# Altium PCB Engineer_Control.PcbDoc (part 1 of 2) (continued)
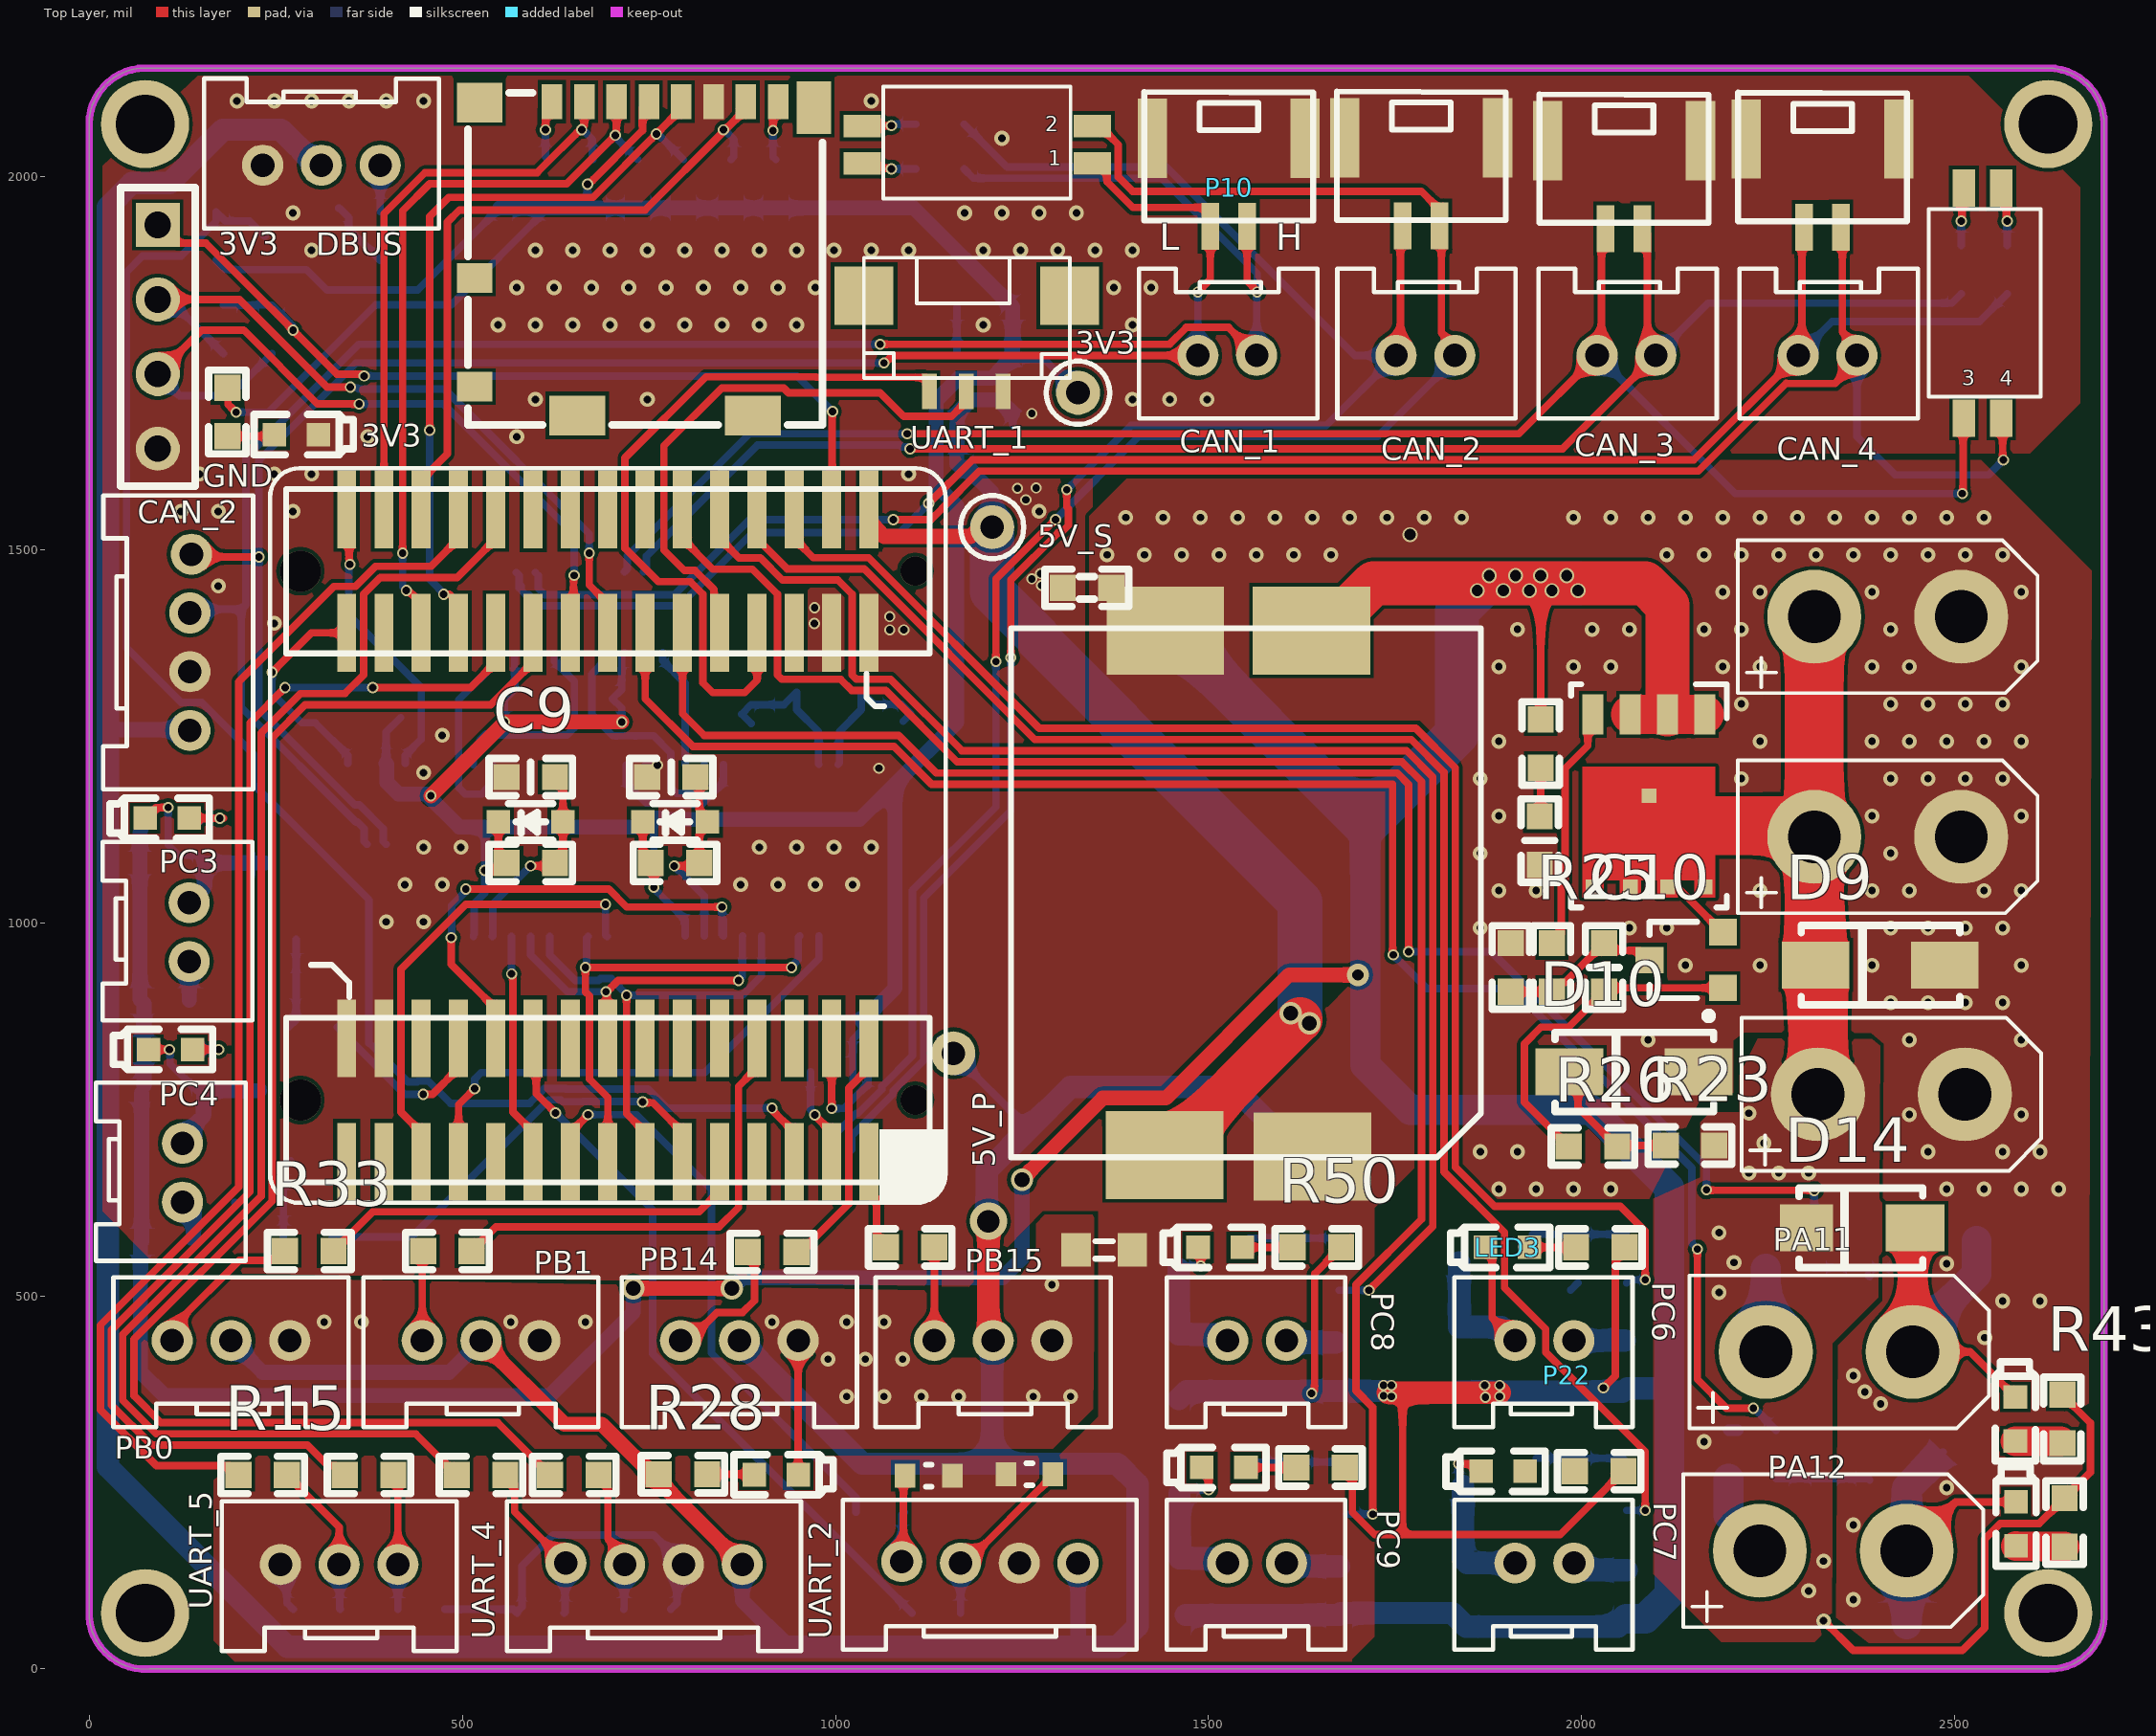
[diagram p0: Top Layer view]
## Footprints (in the part's own frame and the unit in brackets; to place one, negate y for a bottom-side part, rotate by r counter-clockwise, add the part's x,y. Pads: shape width x height; smd on the part's side, far side on the other; paste and mask are expansions set on the pad)
0603C [mil] "Chip Resistor, 2-Leads, Body 1.6x0.8mm, IPC Medium Density"
  rect 35x35 smd: 1(-32.5,0) 2(32.5,0)
  silkscreen extent -56,-25 56,25, body extent -31,-16 31,15, height 18
0603ESDA [mm] "Chip Resistor, 2-Leads, Body 1.6x0.8mm, IPC Medium Density"
  rect 0.7x0.8 smd: 1(-0.8,0) 2(0.8,0)
  silkscreen extent -0.1,-0.38 0.1,0.38, body extent -0.8,-0.4 0.8,0.4, height 0.45
0603L [mil] "Chip Resistor, 2-Leads, Body 1.6x0.8mm, IPC Medium Density"
  rect 35x35 smd: 1(-32.5,0) 2(32.5,0)
  silkscreen extent -56,-25 56,25, body extent -31,-15 32,17, height 19
0603LED_B [mm]
  rect 0.8x0.8 smd: 1(0,0) 2(1.5,0)
  silkscreen extent -0.69,-0.69 2.69,0.69, body extent -0.04,-0.4 1.56,0.4, height 0.6
0603LED_R [mm]
  rect 0.8x0.8 smd: 1(0,0) 2(1.5,0)
  silkscreen extent -0.69,-0.69 2.69,0.69, body extent -0.06,-0.4 1.54,0.4, height 0.6
0603R [mil] "10mil˿ӡ"
  rect 35x35 smd: 1(-32.5,0) 2(32.5,0)
  silkscreen extent -56,-25 56,25, body extent -33,-16 33,16, height 22
0805L [mm]
  rect 1x1.14 smd: 1(-0.955,0) 2(0.955,0)
  silkscreen extent -0.3,-0.3 0.3,0.3, body extent -1,-0.62 1,0.63, height 0.49
A1254-03AWB [mm] "1.25mm，额定电流1A，额定电压50V，接触电阻20mOhm"
  rect 2x2 smd: 0(-3.5,3.226) 0(3.5,3.226)
  rect 0.5x1.2 smd: 1(-1.27,-0.025) 2(-0.02,-0.025) 3(1.23,-0.025)
  silkscreen extent -3.51,0.43 3.51,4.52, body extent -3.52,-0.33 3.47,4.62, height 4.18
GH1.25-2P-立贴 [mm]
  rect 1x2.7 smd: 0(-2.6,-3) 0(2.6,-3)
  round 0.7 on Top Overlay: 0(1.425,0.35)
  rect 0.6x1.6 smd: 1(0.625,0) 2(-0.625,0)
  silkscreen extent -2.88,-4.58 2.88,-0.2, body extent -2.88,-4.55 2.88,0.55, height 4.13
"HEADER 4x1" [mm] "2.54mm 排针"
  rect 1.5x1.5 hole 0.9: 1(0,0)
  round 1.5 hole 0.9: 2(2.54,0) 3(5.08,0) 4(7.62,0)
  silkscreen extent -1.27,-1.27 8.89,1.27, body extent -1.27,-1.27 8.89,1.27, height 6.39
"HY2.00MM 2X1_立式" [mm] "额定电流2A，额定电压250V"
  round 0.7 on Top Overlay: 0(-2.51,2.35)
  round 1.4 hole 0.8: 1(-1,0) 2(1,0)
  silkscreen extent -3,-2.15 3.07,2.95, body extent -3,-2.17 3,2.93, height 8
"HY2.00MM 3x1立式" [mm] "额定电流2A"
  round 0.7 on Top Overlay: 0(-3.507,2.375)
  round 1.4 hole 0.8: 1(-2,0) 2(0,0) 3(2,0)
  silkscreen extent -4,-2.15 4,2.95, body extent -4,-2.15 4,2.95, height 8
"HY2.00MM 4X1立式" [mm]
  round 0.7 on Top Overlay: 0(-4.51,2.35)
  round 1.4 hole 0.8: 1(-3,0) 2(-1,0) 3(1,0) 4(3,-0.051)
  silkscreen extent -5,-2.15 5,2.95, body extent -5,-2.15 5,2.95, height 8
MP2482_PowerModule [mm]
  rect 3x4 smd: 1(-8.925,2.236) 2(8.923,-2.768) 3(-8.925,-2.742) 4(8.974,2.262)
  silkscreen extent -9,-8 9,8, body extent -9,-8 9,8, height 3.95
NX3225GD [mm]
  rect 1.5x2.7 smd: 1(-1.1,0) 2(1.1,0)
  silkscreen extent -1.5,-1.3 1.5,1.3, body extent -1.63,-1.25 1.57,1.25, height 0.81
SMA/DO-214AC [mm] "SS14/M7"
  rect 2.3x1.6 smd: 1(-2.2,0) 2(2.2,0)
  silkscreen extent -2.71,-1.35 2.69,1.35, body extent -2.51,-1.34 2.6,1.33, height 2.12
SMAF/DO-214AC [mm] "SS14/M7"
  rect 2x1.6 smd: 1(-1.8,0)
  rect 1.8x1.6 smd: 2(1.9,0)
  silkscreen extent -2.06,-1.35 2.16,1.35, body extent -2.31,-1.26 2.39,1.24, height 1
SOD-323- [mm] "开关二极管2.60mmx1.20mm"
  rect 0.8x0.8 smd: 1(1.1,0) 2(-1.1,0)
  silkscreen extent -0.75,-0.63 0.75,0.63, body extent -1.35,-0.55 1.35,0.7, height 1.1
SON5X6 [mm] "5x6mm MOS"
  rect 1.372x0.71 smd paste-0.673 mask+0.051: 1(-3.278,1.803) 2(-3.278,0.533) 3(-3.278,-0.737) 4(-3.278,-2.007)
  rect 0.5x0.5 smd paste-0.237 mask+0.051: 5(2.592,-2.007) 6(2.592,-0.737) 7(2.592,0.533) 8(2.592,1.803) 9(-0.508,-0.102)
  Top Layer region: -1.492,2.158 -1.492,-2.362 2.948,-2.362 2.948,-1.652 2.358,-1.652 2.358,-1.092 2.948,-1.092 2.948,-0.382 2.358,-0.382 2.358,0.178 2.948,0.178 2.948,0.888 2.358,0.888 2.358,1.448 2.948,1.448 2.948,2.158
  silkscreen extent -4.31,-2.75 3.29,2.55, body extent -3.62,-2.73 2.53,2.42, height 1.1
SOT-23-3 [mm]
  rect 0.9x0.95 smd: 1(-0.95,-1.25) 2(0.95,-1.25) 3(0,1.25)
  silkscreen extent -2.03,-0.89 1.3,1.25, body extent -1.46,-1.19 1.46,1.28, height 1
"SOT-23-5 L" [mm]
  rect 0.9x0.65 smd: 1(-1.2,0.95) 2(-1.2,0) 3(-1.2,-0.95) 4(1.2,-0.95) 5(1.2,0.95)
  silkscreen extent -1.05,-1.55 0.35,1.8, body extent -1.37,-1.46 1.43,1.44, height 1.09
SOT-23-8 [mm]
  rect 1x0.45 smd paste+0 mask+0.051: 1(-1.375,0.975) 2(-1.375,0.325) 3(-1.375,-0.325) 4(-1.375,-0.975) 5(1.375,-0.975) 6(1.375,-0.325) 7(1.375,0.325) 8(1.375,0.975)
  silkscreen extent -1.75,-1.5 0.58,1.5, body extent -1.4,-1.47 1.4,1.47, height 1.2
STM32_LQFP64核心板 [mm]
  rect 0.65x2.65 smd: 1(8.89,11.1) 2(8.89,6.9) 3(7.62,11.1) 4(7.62,6.9) 5(6.35,11.1) 6(6.35,6.9) 7(5.08,11.1) 8(5.08,6.9) 9(3.81,11.1) 10(3.81,6.9) 11(2.54,11.1) 12(2.54,6.9) 13(1.27,11.1) 14(1.27,6.9) 15(0,11.1) 16(0,6.9) 17(-1.27,11.1) 18(-1.27,6.9) 19(-2.54,11.1) 20(-2.54,6.9) 21(-3.81,11.1) 22(-3.81,6.9) 23(-5.08,11.1) 24(-5.08,6.9) 25(-6.35,11.1) 26(-6.35,6.9) 27(-7.62,11.1) 28(-7.62,6.9) 29(-8.89,11.1) 30(-8.89,6.9) 31(8.89,-6.9) 32(8.89,-11.1) 33(7.62,-6.9) 34(7.62,-11.1) 35(6.35,-6.9) 36(6.35,-11.1) 37(5.08,-6.9) 38(5.08,-11.1) 39(3.81,-6.9) 40(3.81,-11.1) 41(2.54,-6.9) 42(2.54,-11.1) 43(1.27,-6.9) 44(1.27,-11.1) 45(0,-6.9) 46(0,-11.1) 47(-1.27,-6.9) 48(-1.27,-11.1) 49(-2.54,-6.9) 50(-2.54,-11.1) 51(-3.81,-6.9) 52(-3.81,-11.1) 53(-5.08,-6.9) 54(-5.08,-11.1) 55(-6.35,-6.9) 56(-6.35,-11.1) 57(-7.62,-6.9) 58(-7.62,-11.1) 59(-8.89,-6.9) 60(-8.89,-11.1)
  silkscreen extent -11.5,-12.5 11.5,12.5, body extent -11.5,-12.5 11.5,12.5, height 10.9
SW_DIP_2x2 [mm]
  rect 0.76x1.27 smd: 1(-0.705,-3.912) 2(0.565,-3.912) 3(0.565,3.912) 4(-0.705,3.912)
  silkscreen extent -1.91,-3.17 1.91,3.2, body extent -2.08,-4.06 2.06,4.23, height 2.4
tf_booth [mm]
  rect 0.7x1.2 smd: 1(38.068,6.254) 2(39.168,6.254) 3(40.268,6.254) 4(41.368,6.254) 5(42.468,6.254) 6(43.568,6.254) 7(44.668,6.254) 8(45.768,6.254)
  rect 1.17x1.8 smd: 9(46.978,6.054)
  rect 1.55x1.35 smd: 10(35.608,6.229)
  rect 1.2x1 smd: 11(35.433,0.254) 12(35.433,-3.446)
  rect 1.9x1.35 smd: 13(38.933,-4.421) 14(44.903,-4.421)
  silkscreen extent 35.21,-4.75 47.28,6.55
TP_VIA [mm]
  round 1.5 hole 0.8: 1(0,0)
  silkscreen extent -1.08,-1.07 1.08,1.07
TSSOP20 [mil]
  rect 58x14 smd: 1(-115,115.16) 2(-115,89.57) 3(-115,63.98) 4(-115,38.39) 5(-115,12.8) 6(-115,-12.8) 7(-115,-38.39) 8(-115,-63.98) 9(-115,-89.57) 10(-115,-115.16) 11(115,-115.16) 12(115,-89.57) 13(115,-63.98) 14(115,-38.39) 15(115,-12.8) 16(115,12.8) 17(115,38.39) 18(115,63.98) 19(115,89.57) 20(115,115.16)
  silkscreen extent -164,-135 164,145, body extent -126,-128 126,128, height 44
XT30UPB-FEMALE [mm]
  round 3.2 hole 1.8: 1(2.5,0) 2(-2.5,0)
  silkscreen extent -5.1,-2.6 5.1,2.6, body extent -4.95,-2.49 5.05,2.51, height 10
XT30UPB-MALE [mm]
  round 3.2 hole 1.8: 1(2.5,0) 2(-2.5,0)
  silkscreen extent -5.1,-2.6 5.1,2.6, body extent -5.1,-2.6 5.1,2.6, height 10.7

## Part data
1 2 LED1 LED2 LED3 LED4 LED5 LED6 LED7 LED8: library part LED, "Typical RED, GREEN, YELLOW, AMBER GaAs LED", LatestRevisionDate=17-Jul-2002, LatestRevisionNote="Re-released for DXP Platform.", PackageDescription="SM LED; 2 Flat Leads", PackageReference=3.2X1.6X1.1, PackageVersion=Feb-2002, Published=8-Jun-2000, Publisher="Altium Limited"
*1: library part "TF booth"
C1 C2 C3 C4 C5 C6 C7 C8 C9 C10 C11 C12 C13 C14: library part Cap, "Capacitor", LatestRevisionDate=17-Jul-2002, LatestRevisionNote="Re-released for DXP Platform.", PackageDescription="Radial Cap, Thru-Hole; 2 Leads; 0.3 in Pin Spacing", PackageReference=RAD-0.3, Published=8-Jun-2000, Publisher="Altium Limited"
D1 D2: library part Diode, "Default Diode", Code_JEDEC=DO-214-AB, LatestRevisionDate=17-Jul-2002, LatestRevisionNote="Re-released for DXP Platform.", PackageDescription="DO-214-AB/SMC; 2 C-Bend Leads; Body 7.9 x 5.9 mm, inc. leads (LxW)", PackageReference=SMC, PackageVersion=Sep-1996, Published=8-Jun-2000, Publisher="Altium Limited"
D3 D4 D5 D6 D7 D8: library part ESDA
D9 D10: library part "D Schottky_SMAF", "Schottky Diode", Code_JEDEC=DO-214-AA, LatestRevisionDate=17-Jul-2002, LatestRevisionNote="Re-released for DXP Platform.", PackageDescription="DO-214-AA/SMB; 2 C-Bend Leads; Body 5.3 x 3.6 mm, inc. leads (LxW)", PackageReference=SMB, Published=8-Jun-2000, Publisher="Altium Limited"
D11 D12 D13 D15 D16 D18: library part "D Schottky", "Schottky Diode", Code_JEDEC=DO-214-AA, LatestRevisionDate=17-Jul-2002, LatestRevisionNote="Re-released for DXP Platform.", PackageDescription="DO-214-AA/SMB; 2 C-Bend Leads; Body 5.3 x 3.6 mm, inc. leads (LxW)", PackageReference=SMB, Published=8-Jun-2000, Publisher="Altium Limited"
D14 D17: library part "D Schottky_SOD323", "Schottky Diode", Code_JEDEC=DO-214-AA, LatestRevisionDate=17-Jul-2002, LatestRevisionNote="Re-released for DXP Platform.", PackageDescription="DO-214-AA/SMB; 2 C-Bend Leads; Body 5.3 x 3.6 mm, inc. leads (LxW)", PackageReference=SMB, Published=8-Jun-2000, Publisher="Altium Limited"
F1 F2 F3 F4 F5 F6 F7 F8: library part Finance, "0603自恢复保险丝"
L1 L2 L3: library part Inductor, "Inductor", Code_IEC=1005, Code_JEITA=0402, LatestRevisionDate=29-May-2009, LatestRevisionNote="IPC-7351 Footprint Added.", PackageDescription="Chip Inductor", PackageReference=0402-A, Published=8-Jun-2000, Publisher="Altium Limited"
M1: library part STM32_LQFP64核心板, "STM32_LQFP64核心板 / 兼容F105Rx、F405RGT6、F446Rx / 尺寸23mm x 25mm"
P1: library part UART_3pin
P2 P3 P10 P11: library part GH1.25-2P
P4 P5 P7 P8: library part 2pin_IO
P6: library part CAN_4pin, "CAN 4pin，带5V电源，HY2.0-4A"
P9: library part D-BUS
P12: library part UART_3pin_主控, Reference=UART_3pin_主?
P13 P14: library part UART_4pin_主控, "带电源串口"
P17 P18 P19 P_out1 P_out2: library part XT30/60/90
P20 P21 P22 P23 P24 P25: library part 电磁阀/电磁铁
PB1 PB2 PB3 PB4: library part 3Pin_IO, "3pin input/output. V+S+G"
Q1 Q4 Q5 Q6 Q8 Q10 Q11: library part NPN, "NPN Bipolar Transistor", Code_JEDEC=TO-226-AA, LatestRevisionDate=17-Jul-2002, LatestRevisionNote="Re-released for DXP Platform.", PackageDescription="TO, Flat Index; 3 In-Line, Axial Leads; Body Dia. 4.8mm; Leads 0.55 x 0.51 mm (max)", PackageReference=TO-226-AA, Published=8-Jun-2000, Publisher="Altium Limited"
Q2: library part PMOS, "P-Channel Power MOSFET", ComponentLink1Description="Manufacturer Link", ComponentLink1URL=http://www.irf.com/, DatasheetVersion=PD-9.390D, LatestRevisionDate=17-Jul-2002, LatestRevisionNote="Re-released for DXP Platform.", Note="Pin 4 not drawn and electrically connected to Pin 2.", PackageDescription="TO, Thru-Hole, Vertical, Heatsink Mounted; 3 In-Line Leads; Pitch 2.54 mm", PackageReference=TO-220AB, PackageVersion=Feb-1997, Published=8-Jun-2000, Publisher="Altium Limited"
Q3: library part PNP, "PNP Bipolar Transistor", Code_JEDEC=TO-226-AA, LatestRevisionDate=17-Jul-2002, LatestRevisionNote="Re-released for DXP Platform.", PackageDescription="TO, Flat Index; 3 In-Line, Axial Leads; Body Dia. 4.8mm; Leads 0.55 x 0.51 mm (max)", PackageReference=TO-226-AA, Published=8-Jun-2000, Publisher="Altium Limited"
Q7 Q9: library part NMOS(SOT23), "N-Channel Power MOSFET", ComponentLink1Description="Manufacturer Link", ComponentLink1URL=http://www.irf.com/, DatasheetVersion=PD-9.814, LatestRevisionDate=17-Jul-2002, LatestRevisionNote="Re-released for DXP Platform.", Note="Pin 2 is electrically connected to pin 4.", PackageDescription="TO, Thru-Hole, Vertical, Heatsink Mounted; 3 In-Line Leads; Pitch 2.54 mm", PackageReference=TO-220AB, PackageVersion=Feb-1997, Published=8-Jun-2000, Publisher="Altium Limited"
R1 R2 R3 R4 R5 R6 R7 R8 R9 R10 R11 R12 R13 R14 R15 R16 R17 R18 R19 R20 R21 R22 R23 R24 R25 R26 R27 R28 R29 R30 R31 R32 R33 R34 R35 R36 R37 R38 R39 R40 R41 R42 R43 R44 R45 R46 R47 R48 R49 R50 R51 R52 R53 R54 R55 R56 R57: library part Res1, "Resistor", LatestRevisionDate=17-Jul-2002, LatestRevisionNote="Re-released for DXP Platform.", PackageDescription="Axial Device, Thru-Hole; 2 Leads; 0.3 in Pin Spacing", PackageReference=AXIAL-0.3, Published=8-Jun-2000, Publisher="Altium Limited"
S1 S2: library part "SW_DIP 2"
SWD1: library part SWD_HEADER
TP1 TP2 TP3: library part TP, "Test Point"
U1 U2 U3 U4: library part CAN
U1 U2: library part MCP2512
U5 U6: library part MP2482_PowerModule
U7: library part LDO_SOT23-5
Y1: library part XTAL, "Crystal Oscillator", LatestRevisionDate=17-Jul-2002, LatestRevisionNote="Re-released for DXP Platform.", PackageDescription="Crystal, Thru-Hole; 2 Leads; Body 3.1 x 8.2 mm (Dia.xH)", PackageReference=R38, Published=8-Jun-2000, Publisher="Altium Limited"

## Free pads (board coordinates)
  round 118.11 hole 78.74: 4(75,75) 4(75,2070) 4(2625,75) 4(2625,2070)

## Via types
v1: diameter 20, hole 10, Top Layer to Bottom Layer, tented both sides, 245 vias
v2: diameter 15, hole 10, Top Layer to Bottom Layer, tented both sides, 108 vias
v3: diameter 20, hole 15, Top Layer to Bottom Layer, tented both sides, 10 vias
v4: diameter 30, hole 20, Top Layer to Bottom Layer, tented both sides, 5 vias
v5: diameter 39.37, hole 39.37, Top Layer to Bottom Layer, 2 vias
v6: diameter 55.12, hole 55.12, Top Layer to Bottom Layer, 2 vias
v7: diameter 30, hole 15, Top Layer to Bottom Layer, tented both sides, 1 vias
v8: diameter 50, hole 30, Top Layer to Bottom Layer, tented both sides, 1 vias

## Nets (pads, with @x,y where several pads share a name; then routed paths per layer and width w, separated by ;. In a path a pad name is that pad's centre, name@x,y a point inside that pad or via, vN(x,y) a via of type N, cw(c..) or ccw(c..) an arc to the next point about the centre after c; other vN are vias at no path point)
3V3: *1.4 C1.1 C2.1 C3.1 C4.1 C5.2 C13.1 D1.2 D2.2 R5.2 R6.2 R7.2 R8.2 R9.2 R10.2 R11.2 R12.2 R13.2 R29.2 TP3.1 U1.3@572.2,1360.87 U1.20 U2.3@1017.8,800.37 U2.20 U3.3 U4.3 U7.5 | length 5053.2
  Top Layer w10: R29.2@185.24,1716.77 186.01,1716 186.01,1694.41 196.43,1684 v2(196.82,1684) ; v2(530,1070) 549.13,1070 R12.2@559.13,1080 548.32,1090.81 D2.2@548.32,1135 ; v2(667.75,1989.35) 669.35,1989.35 741.38,2061.38 741.38,2091.38 *1.4@750,2100 ; D1.2@741.69,1135 741.69,1090.81 R11.2@752.5,1080 756.7,1075.8 v2(756.7,1047.28)
  Top Layer w20: v2(457.84,1170) v2(556.72,1268.88) v2(713.57,1268.88)
  Bottom Layer w10: R13.2@170,1887.5 182.5,1875 291.25,1875 318.63,1847.62 440.12,1847.62 C5.2@550,1957.5 ; v2(196.82,1684) 240,1684 383.69,1827.69 485.19,1827.69 R5.2@615,1957.5 ; U4.3@397.8,1213.38 397.8,1255.3 C4.1@417.5,1275 ; U2.20@514.84,981.42 514.84,983.42 515.79,984.37 515.79,1025.42 530,1039.63 v2(530,1070) 530,1128.31 ; v2(556.72,1268.88) 556.72,1299.08 C3.1@557.64,1300 570.14,1312.5 570.14,1358.8 U1.3@572.2,1360.87 ; v2(667.75,1989.35) 667.75,1964.75 R6.2@675,1957.5 ; v2(713.57,1268.88) 713.57,1287.5 C1.1@701.07,1300 713.57,1312.5 713.57,1358.25 U3.3@717.2,1361.89 ; 756.7,1140 v2(756.7,1047.28) 756.7,1046.06 798.63,1004.13 U1.20@798.63,982.13 ; U2.3@1023.31,785.27 1023.31,843.31 1035.81,855.81 C2.1@1035.81,868.31 ; U7.5@1237.4,1762.24 1237.4,1757.32 1240.08,1754.65 1280.35,1754.65 TP3.1@1325,1710 ; C13.1@1237.4,1824.9 C13.1@1237.5,1825
  Bottom Layer w20: U4.3@397.8,1213.38 398.94,1212.24 398.94,1188.07 414.59,1172.42 451.85,1172.42 495.96,1128.31 530,1128.31 737.17,1128.31 748.87,1140 ; C5.2@550,1957.5 R5.2@615,1957.5 667.75,1957.5 R6.2@675,1957.5 R7.2@735,1957.5 R8.2@796.26,1957.5 R9.2@860,1957.5 R10.2@920,1957.5 1105,1957.5 C13.1@1237.5,1825 ; 756.7,1140 771.12,1140 772.99,1138.13 1032.18,1138.13 1080,1185.95 ; C2.1@1035.81,868.31 1080,912.5 1080,1185.95 ; 1134.8,1643.83 1134.8,1699.8 1164.53,1729.53 1209.61,1729.53 U7.5@1237.4,1757.32 ; 1135,1643.83 1135,1586.29 1162.6,1558.69 1162.6,1268.54 1080,1185.95 ; U7.5@1237.4,1762.24 C13.1@1237.4,1824.9
3V3_SWD: M1.3 R21.2 R22.2 SWD1.1 | length 1292.4
  Top Layer w10: SWD1.1@91.99,1935 116.52,1910.47 156.53,1910.47 331.91,1735.09 365.72,1735.09 v2(368.31,1732.5) ; M1.3@995,1593.03 M1.3@995,1553.66 995.53,1554.19 995.53,1684.27 v2(996.06,1684.8)
  Bottom Layer w10: R22.2@182.5,1830 R22.2@180,1827.5 R21.2@245,1827.5 272.36,1800.14 272.36,1794.96 v2(273.31,1794) ; v2(368.31,1732.5) 948.37,1732.5 v2(996.06,1684.8)
5V_P: P6.1 P9.2 P13.1 P14.1 PB1.2 PB2.2 PB3.2 PB4.2 R28.2 TP1.1 U5.2 | length 6618.9
  Top Layer w10: PB4.2@1205,446.26 PB4.2@1211.26,440
  Top Layer w20: PB2.2@525,440 636.82,328.18 686.82,328.18 P13.1@875,140
  Top Layer w30: PB4.2@1205,446.26 v8(1205,600)
  Bottom Layer w10: P6.1@133.93,1258.59 P6.1@135,1257.52 ; TP1.1@1140,844.02 1140,842.76 TP1.1@1157.76,825 1258.88,723.88 ; v8@1202.76,602.24 v8(1205,600)
  Bottom Layer w20: 25,1258.59 P6.1@133.93,1258.59 ; PB1.2@190,440 232.56,397.44 286.37,397.44 ; 286.4,397.47 428.6,397.47 ; 428.63,397.44 482.44,397.44 PB2.2@525,440 ; P13.1@875,140 875,92.05 937.05,30 ; 1325,30 P14.1@1325,142
  Bottom Layer w30: P9.2@311.26,2015 304.46,2015 256.9,2062.56 179.36,2062.56 107.75,1990.95 57.31,1990.95 25,1958.63 25,1258.59 25,1236.89 25,1146.89 25,275 25,270.69 265.69,30 937.05,30 1325,30 1377.56,30 1405,57.43 1405,247.6 1377.6,275 1210,275 ; PB3.2@871.26,440 1036.26,275 1210,275 ; v8@1202.76,602.24 1202.76,667.76 1258.88,723.88 1315,780 1532.97,780 1619.28,693.69 U5.2@1638.96,693.69 ; PB4.2@1211.26,440 1210,438.74 1210,275
5V_S: C12.2 M1.1 TP2.1 U6.2 U7.1 U7.3 | length 1562.8
  Top Layer w10: M1.1@1045,1553.66 1045,1537.8 M1.1@1052.8,1530
  Top Layer w20: M1.1@1052.8,1530 1065.3,1517.5 1181.06,1517.5 1193.56,1530 TP2.1@1210,1530
  Top Layer w60: U6.2@1441.04,688.69 v4@1622.54,870.2
  Bottom Layer w10: C12.2@1162.6,1614.9 C12.2@1167.5,1610 ; U7.3@1162.6,1667.76 U7.3@1162.6,1675.01 ; U7.1@1237.4,1667.76 U7.1@1237.4,1682.08
  Bottom Layer w20: C12.2@1162.6,1614.9 U7.3@1162.6,1667.76 ; U7.3@1162.6,1675.01 1162.6,1682.08 1180.99,1700.47 1219.01,1700.47 U7.1@1237.4,1682.08 ; C12.2@1167.5,1610 1176.29,1610 1210,1576.29 TP2.1@1210,1530
  Bottom Layer w60: TP2.1@1210,1530 1210,1443.84 1271.34,1382.5 1271.34,1379.71 1380,1271.05 ; 1379.48,1270.52 1622.55,1027.45 v4@1622.55,870.12
  other v4: 1635,865 1610,878.91
CAN1_H: P6.3 P7.2 P10.2 R4.1 U4.7 | length 2758.7
  Top Layer w10: v2(1060,1775) 1447.79,1775 1448.07,1775.28 1448.07,1775.56 1470.07,1797.56 1526.81,1797.56 P7.2@1564.37,1760 ; P10.2@1551.61,1933 1551.61,1859.75 1565,1846.35 v2(1565,1845)
  Bottom Layer w10: P6.3@135,1415 140,1420 204.02,1420 ; U4.7@372.2,1105.11 368.35,1108.97 368.35,1126.07 359.61,1134.8 357.62,1134.8 204.02,1288.39 204.02,1420 ; v2(1060,1775) 361.45,1775 210,1623.55 210,1425.98 204.02,1420 ; R4.1@1172.5,2010 1185,1997.5 1437.16,1997.5 1565,1869.66 v2(1565,1845) ; P7.2@1564.37,1760 v2@1564.37,1844.84
CAN1_L: P6.4 P7.1 P10.1 S2.1 U4.6 | length 2390.9
  Top Layer w10: P6.4@137,1493.74 138.27,1495.01 143.28,1490 v2(227.5,1490) ; v2(1065,1750) 1066.35,1750 1076.35,1760 P7.1@1485.63,1760 ; S2.1@1344,2017.24 1354.04,2017.24 1364,2007.28 1364,1992.81 1398.42,1958.39 1495.58,1958.39 1502.39,1951.57 P10.1@1502.39,1933 1502.39,1861.76 v2(1485.63,1845)
  Bottom Layer w10: U4.6@397.8,1105.11 393.94,1108.97 393.94,1126.07 362.19,1157.81 355.82,1157.81 227.5,1286.13 v2(227.5,1490) 227.5,1619.84 357.66,1750 v2(1065,1750) ; P7.1@1485.63,1760 v2(1485.63,1845)
CAN2_H: P8.2 P11.2 S2.2 U2.7@992.2,692.1 | length 2345.5
  Top Layer w10: v2(1215,1350) 1215,1460.48 1294.52,1540 v2(1294.84,1540) ; S2.2@1344,2067.24 1354.04,2067.24 1379,2042.28 1379,1999.02 1398.02,1980 1785.09,1980 1811.97,1953.12 1811.97,1790.24 1830,1772.21 P8.2@1830,1760
  Bottom Layer w10: U2.7@992.2,692.1 996.06,695.96 996.06,713.05 1027.81,744.8 1030.5,744.8 1062.24,776.54 1062.24,780.75 1103.23,821.74 1103.23,1043.23 1215,1155 v2(1215,1350) ; v2(1294.84,1540) 1294.84,1540.09 1405.91,1651.16 1726.16,1651.16 1830,1755 P8.2@1830,1760
CAN2_L: P8.1 P11.1 R2.1 U2.6@1017.8,692.1 | length 2414.3
  Top Layer w10: v2(1235,1355) 1235,1459.26 1298.24,1522.5 1302.09,1522.5 1312.34,1532.75 1312.34,1554.53 1310,1556.87 v2(1310,1580) ; P8.1@1751.26,1760 1757.01,1765.75 1757.01,1927.69 P11.1@1762.76,1933.43
  Bottom Layer w10: U2.6@1017.8,692.1 1021.65,695.96 1021.65,714.74 1077.24,770.33 1077.24,774.54 1118.23,815.53 1118.23,1033.03 1235,1149.8 v2(1235,1355) ; R2.1@1172.5,2070 1230,2012.5 1443.38,2012.5 1695.88,1760 P8.1@1751.26,1760 1657.42,1666.16 1396.16,1666.16 v2(1310,1580)
CAN3_H: P2.2 P4.2 R3.1 U3.7 | length 2111.4
  Top Layer w10: v2(1100,1635) 1974.37,1635 P4.2@2099.37,1760 2099.37,1772.21 2088,1783.58 2088,1923.13 P2.2@2081.24,1929.89
  Bottom Layer w10: U3.7@742.8,1470.15 746.65,1474.01 746.65,1491.11 895.55,1640 1086.41,1640 1088.91,1637.5 1097.5,1637.5 v2(1100,1635) ; P4.2@2099.37,1760 2169.37,1830 2495.93,1830 R3.1@2508.43,1842.5
CAN3_L: P2.1 P4.1 S1.1 U3.6 | length 2276
  Top Layer w10: v2(1096.16,1655) 1915.63,1655 P4.1@2020.63,1760 2026.33,1765.7 2026.33,1924.19 P2.1@2032.03,1929.89 ; v2(2510,1575) 2510.96,1575.96 2510.96,1674.71 S1.1@2512.24,1676
  Bottom Layer w10: U3.6@717.2,1470.15 721.06,1474.01 721.06,1491.11 884.96,1655 v2(1096.16,1655) ; P4.1@2020.63,1760 2205.63,1575 v2(2510,1575)
CAN3_RX: U1.2@824.22,1212.13 U3.4 | length 343.5
  Bottom Layer w10: U3.4@691.61,1361.89 691.61,1351.06 673.57,1333.01 673.57,1278.36 701.51,1250.42 705.12,1250.42 705.54,1250 708.01,1250 708.42,1250.42 730.71,1250.42 731.13,1250 733.6,1250 734.02,1250.42 756.3,1250.42 779.25,1227.46 779.25,1181.36 787.49,1173.13 809.77,1173.13 824.22,1187.58 U1.2@824.22,1212.13
CAN3_TX: U1.1@798.63,1212.13 U3.1 | length 162.3
  Bottom Layer w10: U3.1@768.39,1361.89 768.39,1351.06 798.63,1320.81 U1.1@798.63,1212.13
CAN4_H: P3.2 P5.2 S1.2 U1.7@597.8,1469.13 | length 2516.1
  Top Layer w10: v2(1077.63,1540) 1127.98,1540 1142.5,1554.52 1142.5,1554.78 1192.72,1605 2156.21,1605 2274.05,1722.84 2274.44,1722.44 2339.33,1722.44 2368.74,1751.85 P5.2@2368.74,1760 2368.74,1772.21 2349.21,1791.74 P3.2@2349.21,1935 ; S1.2@2562.24,1686.04 S1.2@2562.24,1676 2564.04,1674.2 2564.04,1620.96 v2(2565,1620)
  Bottom Layer w10: U1.7@597.8,1469.13 601.65,1465.28 601.65,1448.18 610.39,1439.45 784.44,1439.45 884.99,1540 v2(1077.63,1540) ; P5.2@2368.74,1760 2368.74,1651.26 2420,1600 2545,1600 v2(2565,1620)
CAN4_L: P3.1 P5.1 R1.1 U1.6@572.2,1469.13 | length 2384.4
  Top Layer w10: v2(1125,1561.77) 1183.23,1620 2150,1620 P5.1@2290,1760 2295,1765 2295,1930 P3.1@2300,1935
  Bottom Layer w10: U1.6@572.2,1469.13 576.06,1465.28 576.06,1448.18 578.94,1451.05 578.94,1445.31 584.79,1439.45 589.17,1439.45 604.17,1424.45 790.65,1424.45 888.7,1522.5 1085.73,1522.5 v2(1125,1561.77) ; P5.1@2290,1760 2335.57,1805.57 2533.07,1805.57 R1.1@2570,1842.5
CAN4_RX: U1.4@546.61,1360.87 U2.2@540.43,1211.42 | length 280.7
  Bottom Layer w10: U2.2@540.43,1211.42 540.43,1186.87 525.98,1172.42 503.7,1172.42 495,1181.12 495,1298.43 546.61,1350.04 U1.4@546.61,1360.87
CAN4_TX: U1.1@623.39,1360.87 U2.1@514.84,1211.42 | length 282.3
  Bottom Layer w10: U2.1@514.84,1211.42 514.84,1233.42 523.43,1242.01 523.43,1244.56 531.8,1252.93 547.92,1252.93 549.47,1251.38 640.23,1251.38 650.14,1261.3 650.14,1323.28 623.39,1350.04 U1.1@623.39,1360.87
CLK: U1.3@849.81,1212.13 U2.9 | length 203.4
  Bottom Layer w10: U2.9@719.57,1211.42 719.57,1186.87 746.43,1160 779.4,1160 781.27,1158.13 820.36,1158.13 849.81,1187.58 U1.3@849.81,1212.13
GND_IN: C11.1 D9.1 D10.1 L2.2 L3.2 P17.2 P18.2 P19.2 Q7.2 Q9.2 R27.2 R46.2 R53.2 U5.3 U6.3
  other v1: 2364,93 2364,193 2489,243 2400.52,355.32 2379.26,371.32 2364,393 2540,444 2564,493 2614,493 2489,543 1889,643 1939,643 1989,643 2039,643 2489,643 2539,643 2589,643 2639,643 1864,693 1914,693 2464,693 2564,693 2614,693 2439,743 2589,743 2089,843 2439,843 2589,843 2414,893 2464,893 2514,893 2564,893 2139,943 2239,943 2389,943 2589,943 1864,993 2064,993 2114,993 2414,993 2464,993 2514,993 2564,993 1889,1043 1939,1043 2239,1043 2389,1043 2439,1043 2539,1043 2589,1043 1864,1093 2414,1093 1889,1143 2389,1143 2589,1143 1864,1193 2214,1193 2414,1193 2464,1193 2514,1193 2564,1193 1889,1243 2239,1243 2389,1243 2439,1243 2489,1243 2539,1243 2589,1243 2214,1293 2414,1293 2464,1293 2514,1293 2564,1293 1889,1343 1989,1343 2039,1343 2189,1343 2239,1343 2389,1343 2439,1343 2589,1343 1914,1393 2014,1393 2064,1393 2164,1393 2214,1393 2414,1393 2189,1443 2239,1443 2389,1443 2589,1443 1364,1493 1414,1493 1464,1493 1514,1493 1564,1493 1614,1493 1664,1493 2114,1493 2164,1493 2214,1493 2264,1493 2314,1493 2364,1493 2414,1493 2464,1493 2514,1493 2564,1493 1389,1543 1439,1543 1489,1543 1539,1543 1589,1543 1639,1543 1689,1543 1739,1543 1789,1543 1839,1543 1989,1543 2039,1543 2089,1543 2139,1543 2189,1543 2239,1543 2289,1543 2339,1543 2389,1543 2439,1543 2489,1543 2539,1543
  other v3: 1770,1520
Net1_1: 1.1 R28.1 | length 63.2
  Top Layer w10: R28.1@828.11,260.94 890.46,260.94 1.1@891.08,260.32
Net2_1: 2.1 R29.1 | length 63.6
  Top Layer w10: R29.1@185.24,1651.77 245.72,1651.77 2.1@247.94,1654
Net*1_1: *1.1 R5.1 | length 82.7
  Top Layer w10: v2(611.3,2062.36) 611.3,2091.22 *1.1@620.08,2100
  Bottom Layer w10: v2(611.3,2062.36) 611.3,2026.2 R5.1@615,2022.5
Net*1_8: *1.8 R10.1 | length 81.8
  Top Layer w10: v2(916.38,2061.38) 916.38,2093.14 *1.8@923.23,2100
  Bottom Layer w10: v2(916.38,2061.38) 916.38,2026.12 R10.1@920,2022.5
NetC6_2: C6.2 D1.1 R11.1 U1.19 | length 271.7
  Top Layer w10: v2(784.02,1075.98) 813.48,1075.98 R11.1@817.5,1080 817.56,1080.06 817.56,1124.25 D1.1@828.31,1135 817.56,1145.75 817.56,1189.94 C6.2@812.5,1195
  Bottom Layer w10: v2(784.02,1075.98) 824.22,1035.78 U1.19@824.22,982.13
NetC7_2: C7.2 U1.8@977.76,1212.13 Y1.2 | length 212.7
  Bottom Layer w10: C7.2@886.96,1267 C7.2@874.46,1279.5 886.96,1292 931.05,1292 Y1.2@948.05,1309 948.05,1285.38 977.3,1256.13 977.3,1212.6 U1.8@977.76,1212.13
NetC8_2: C8.2 U1.9 Y1.1 | length 202.4
  Bottom Layer w10: U1.9@1003.35,1212.13 1005.35,1214.13 1005.35,1256.07 1034.66,1285.38 Y1.1@1034.66,1309 1051.16,1292.5 1088.3,1292.5 C8.2@1100.8,1280 C8.2@1090.6,1269.8
NetC9_2: C9.2 D2.1 R12.1 U2.19 | length 273.9
  Top Layer w10: v2(591.61,1075.98) 620.11,1075.98 R12.1@624.13,1080 634.94,1090.81 D2.1@634.94,1135 634.94,1184.19 C9.2@624.13,1195
  Bottom Layer w10: U2.19@540.43,981.42 541.05,982.03 541.05,1025.42 v2(591.61,1075.98)
NetC10_1: C10.1 Q3.3 R25.2 R27.1 | length 222
  Top Layer w10: R27.1@1905,907.5 R25.2@1960,907.5 1972.5,920 1977.5,920 C10.1@2030,972.5 2039.78,962.72 2078.07,962.72 Q3.3@2090.79,950
NetC10_2: C10.2 Q3.1 R26.2 | length 459.4
  Top Layer w10: R26.2@1982.5,700 1923.11,759.39 1923.11,837.71 1945.4,860 1982.5,860 C10.2@2030,907.5 2035.1,912.6 Q3.1@2189.21,912.6
NetC11_2: C11.2 R24.2 | length 65.6
  Top Layer w10: C11.2@1943.58,1142.5 1945,1143.92 R24.2@1945,1207.5
NetC14_2: C14.2 U7.4 | length 62.8
  Bottom Layer w10: C14.2@1162.5,1825 1162.6,1824.9 U7.4@1162.6,1762.24
NetD3_2: D3.2 P12.1 R16.1 | length 182.7
  Top Layer w10: R16.1@407.5,260 413.74,253.76 P12.1@413.74,140
  Bottom Layer w10: D3.2@413.5,80 413.62,80.12 413.62,139.88 P12.1@413.74,140
NetD4_2: D4.2 P12.2 R15.1 | length 209.6
  Top Layer w10: R15.1@265.02,260 335,190.02 P12.2@335,140
  Bottom Layer w10: P12.2@335,140 335.75,139.25 335.75,80.75 D4.2@336.5,80
NetD5_2: D5.2 P13.4 R19.1 | length 219.6
  Top Layer w10: R19.1@557.5,260 570,247.5 570,210.78 P13.4@638.78,142
  Bottom Layer w10: D5.2@636.5,75.02 637.64,76.16 637.64,140.86 P13.4@638.78,142
NetD6_2: D6.2 P13.3 R17.1 | length 195
  Top Layer w10: R17.1@682.5,260 695,247.5 695,174.73 717.52,152.21 P13.3@717.52,140
  Bottom Layer w10: D6.2@716.25,80 716.89,80.63 716.89,139.37 P13.3@717.52,140
NetD7_2: D7.2 P14.4 R20.1 | length 184.8
  Top Layer w10: P14.4@1088.69,143.91 P14.4@1088.78,144 1091.14,146.36 1091.14,256.65 D7.2@1093.5,259.01
  Bottom Layer w10: P14.4@1089,144 P14.4@1088.78,144 1088.78,206.28 R20.1@1092.5,210
NetD8_2: D8.2 P14.3 R18.1 | length 241.4
  Top Layer w10: P14.3@1167.52,142 1174.52,142 1291.5,258.98 D8.2@1291.5,260.94
  Bottom Layer w10: R18.1@1167.5,75 P14.3@1167.52,142
NetD10_2: D10.2 R23.2 R26.1 | length 192.1
  Top Layer w10: D10.2@1983.39,800 1995,788.39 1995,752.5 R26.1@2047.5,700 2048.92,701.42 R23.2@2112.5,701.42
NetD11_1: D11.1 LED1.2 P20.2 Q4.3 | length 294.5
  Top Layer w10: LED1.2@75,1140 89.37,1154.37 v2(105.81,1154.37)
  Bottom Layer w10: v2(105.81,1154.37) 105.81,1104.23 119.29,1090.75 143.82,1090.75 D11.1@154.57,1080 ; Q4.3@235.98,1080 Q4.3@240,1075.98
  Bottom Layer w20: P20.2@134.06,1026.77 154.57,1047.28 D11.1@154.57,1080 Q4.3@235.98,1080